# KiCad board hack_pad.kicad_pcb (continued)
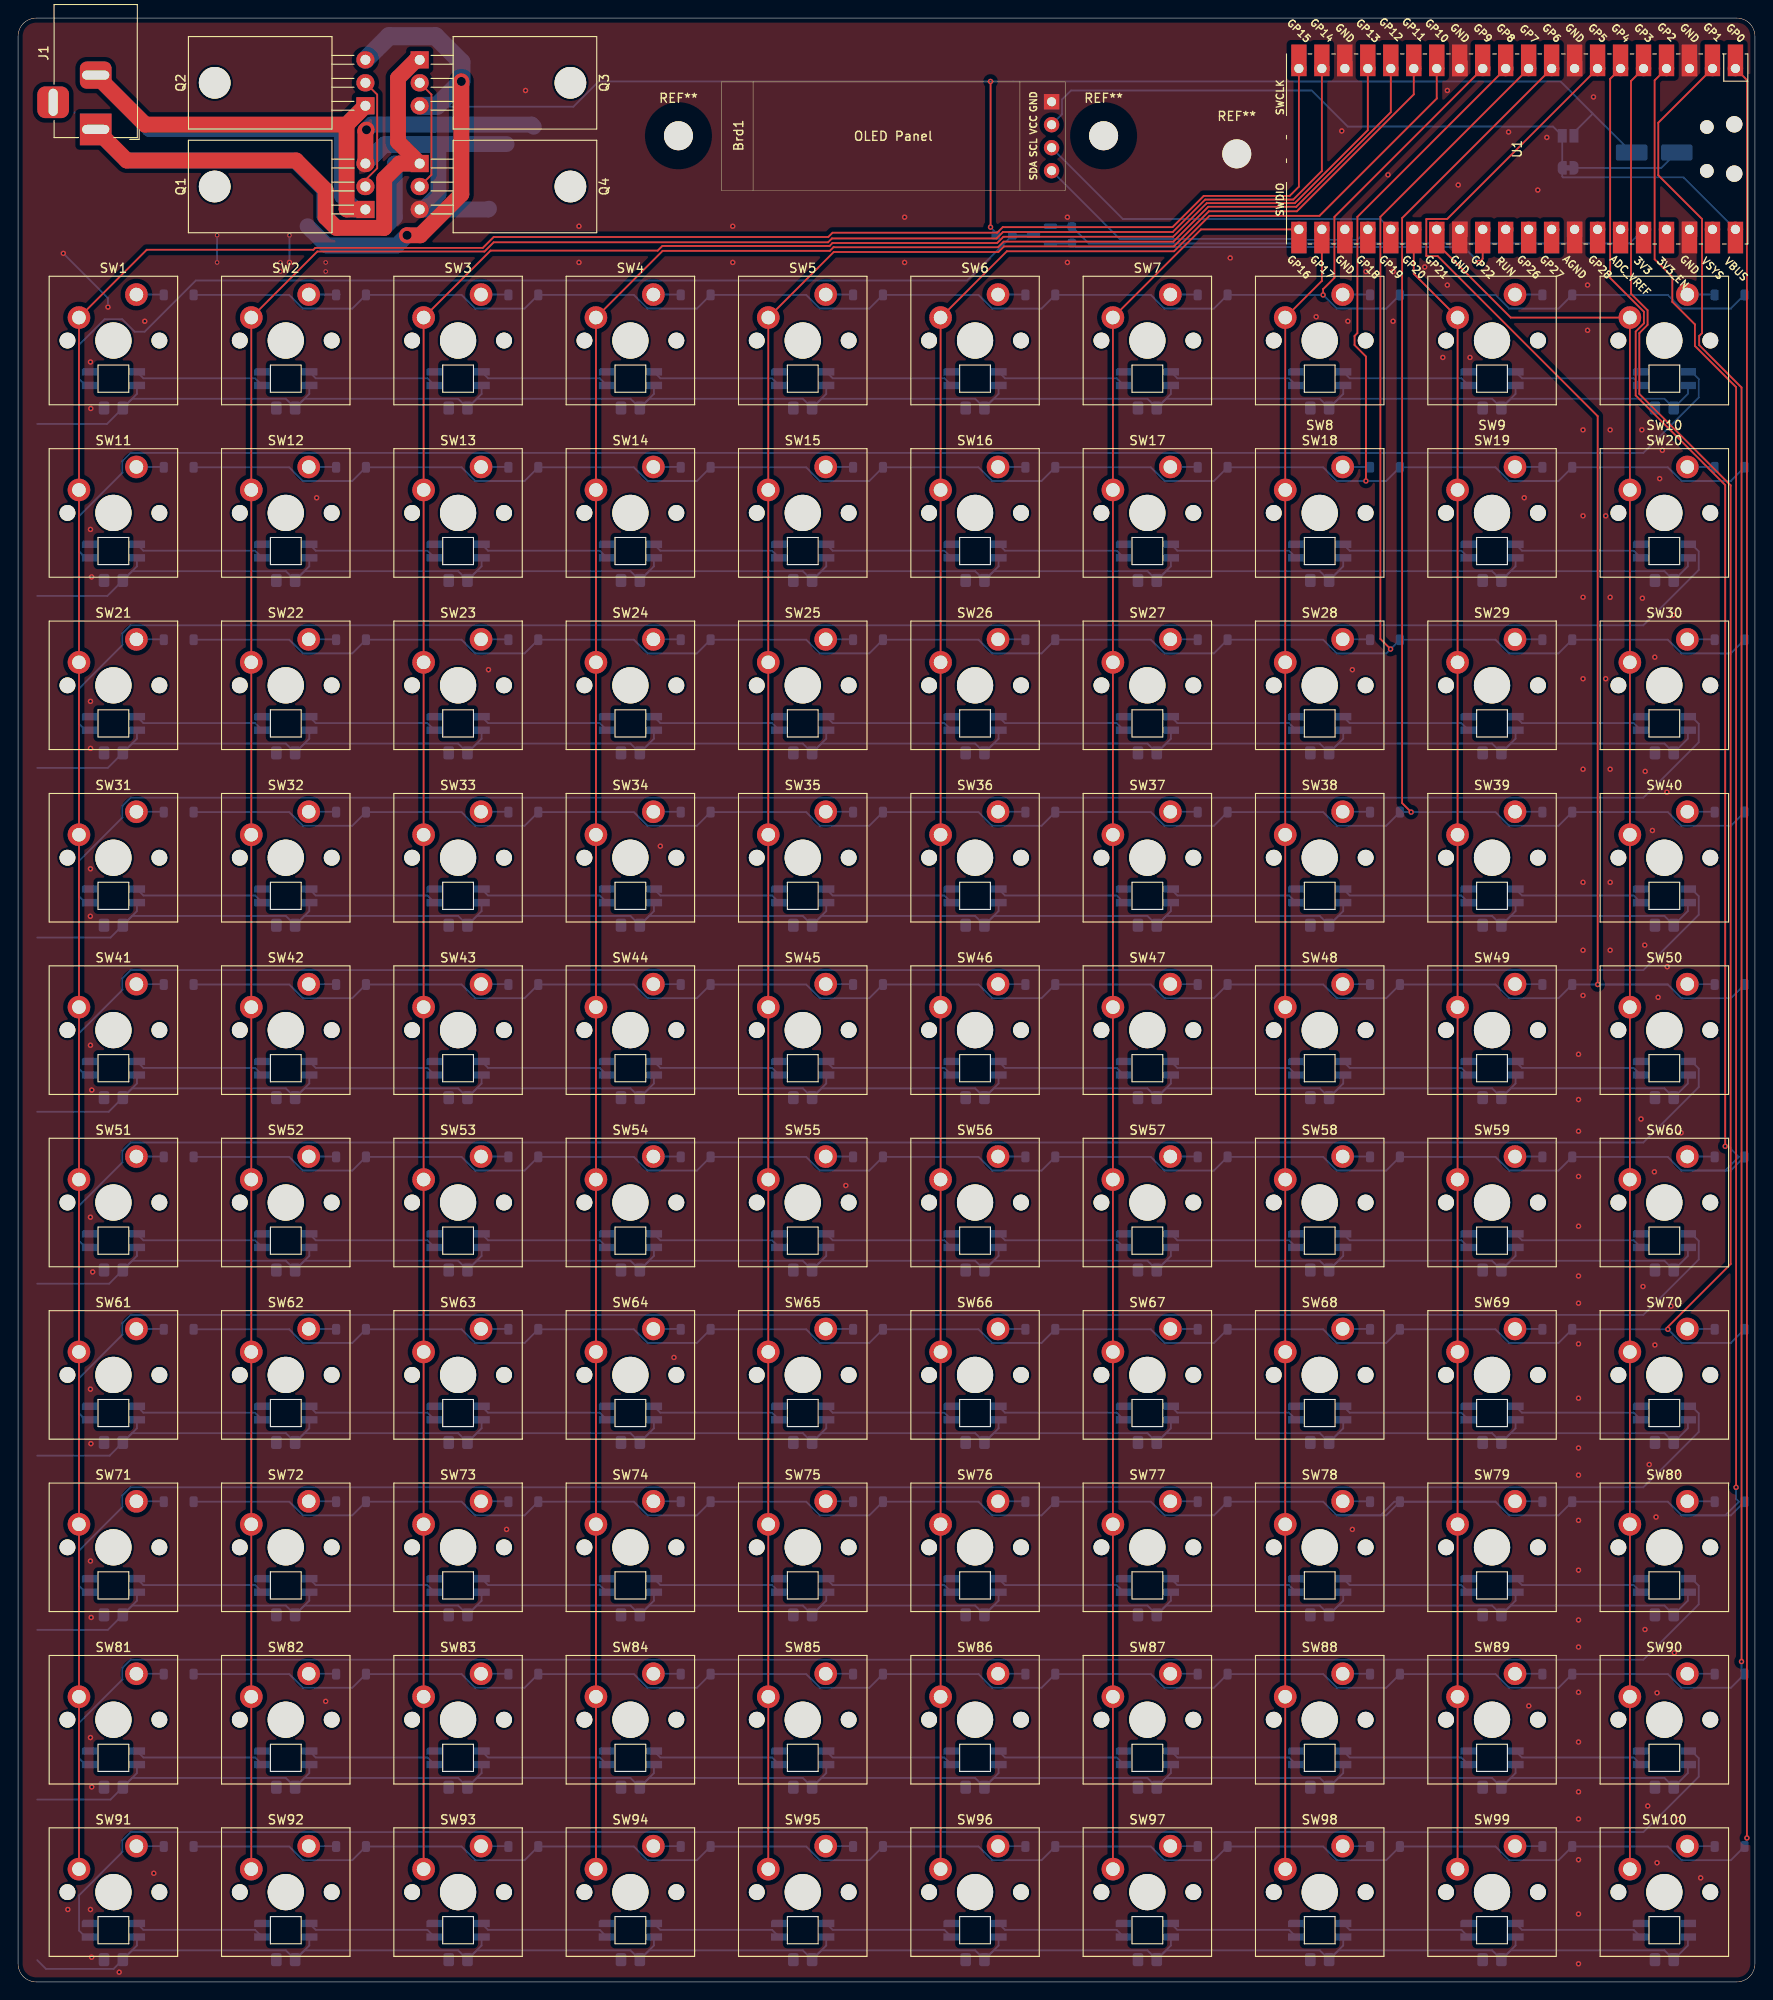
[diagram p0: board, top side]
## Placement (name value [footprint] x y rotation side) (continued)
R2  10K  [R_0603_1608Metric_Pad0.98x0.95mm_HandSolder]  109 193 0 bottom
REF**  -  [MountingHole_3.2mm_M3]  120 204 0 top
REF**#2  -  [MountingHole_3.2mm_M3]  134.72 202 0 top
REF**#3  -  [MountingHole_3.2mm_M3]  73 204 0 top
SW1  SW_Push  [SW_Cherry_MX_PCB_1.00u]  10.54 181.37 0 top
SW2  SW_Push  [SW_Cherry_MX_PCB_1.00u]  29.59 181.37 0 top
SW3  SW_Push  [SW_Cherry_MX_PCB_1.00u]  48.64 181.37 0 top
SW4  SW_Push  [SW_Cherry_MX_PCB_1.00u]  67.69 181.37 0 top
SW5  SW_Push  [SW_Cherry_MX_PCB_1.00u]  86.74 181.37 0 top
SW6  SW_Push  [SW_Cherry_MX_PCB_1.00u]  105.79 181.37 0 top
SW7  SW_Push  [SW_Cherry_MX_PCB_1.00u]  124.84 181.37 0 top
SW8  SW_Push  [SW_Cherry_MX_PCB_1.00u]  143.89 181.37 0 top
SW9  SW_Push  [SW_Cherry_MX_PCB_1.00u]  162.94 181.37 0 top
SW10  SW_Push  [SW_Cherry_MX_PCB_1.00u]  181.99 181.37 0 top
SW11  SW_Push  [SW_Cherry_MX_PCB_1.00u]  10.54 162.32 0 top
SW12  SW_Push  [SW_Cherry_MX_PCB_1.00u]  29.59 162.32 0 top
SW13  SW_Push  [SW_Cherry_MX_PCB_1.00u]  48.64 162.32 0 top
SW14  SW_Push  [SW_Cherry_MX_PCB_1.00u]  67.69 162.32 0 top
SW15  SW_Push  [SW_Cherry_MX_PCB_1.00u]  86.74 162.32 0 top
SW16  SW_Push  [SW_Cherry_MX_PCB_1.00u]  105.79 162.32 0 top
SW17  SW_Push  [SW_Cherry_MX_PCB_1.00u]  124.84 162.32 0 top
SW18  SW_Push  [SW_Cherry_MX_PCB_1.00u]  143.89 162.32 0 top
SW19  SW_Push  [SW_Cherry_MX_PCB_1.00u]  162.94 162.32 0 top
SW20  SW_Push  [SW_Cherry_MX_PCB_1.00u]  181.99 162.32 0 top
SW21  SW_Push  [SW_Cherry_MX_PCB_1.00u]  10.54 143.27 0 top
SW22  SW_Push  [SW_Cherry_MX_PCB_1.00u]  29.59 143.27 0 top
SW23  SW_Push  [SW_Cherry_MX_PCB_1.00u]  48.64 143.27 0 top
SW24  SW_Push  [SW_Cherry_MX_PCB_1.00u]  67.69 143.27 0 top
SW25  SW_Push  [SW_Cherry_MX_PCB_1.00u]  86.74 143.27 0 top
SW26  SW_Push  [SW_Cherry_MX_PCB_1.00u]  105.79 143.27 0 top
SW27  SW_Push  [SW_Cherry_MX_PCB_1.00u]  124.84 143.27 0 top
SW28  SW_Push  [SW_Cherry_MX_PCB_1.00u]  143.89 143.27 0 top
SW29  SW_Push  [SW_Cherry_MX_PCB_1.00u]  162.94 143.27 0 top
SW30  SW_Push  [SW_Cherry_MX_PCB_1.00u]  181.99 143.27 0 top
SW31  SW_Push  [SW_Cherry_MX_PCB_1.00u]  10.54 124.22 0 top
SW32  SW_Push  [SW_Cherry_MX_PCB_1.00u]  29.59 124.22 0 top
SW33  SW_Push  [SW_Cherry_MX_PCB_1.00u]  48.64 124.22 0 top
SW34  SW_Push  [SW_Cherry_MX_PCB_1.00u]  67.69 124.22 0 top
SW35  SW_Push  [SW_Cherry_MX_PCB_1.00u]  86.74 124.22 0 top
SW36  SW_Push  [SW_Cherry_MX_PCB_1.00u]  105.79 124.22 0 top
SW37  SW_Push  [SW_Cherry_MX_PCB_1.00u]  124.84 124.22 0 top
SW38  SW_Push  [SW_Cherry_MX_PCB_1.00u]  143.89 124.22 0 top
SW39  SW_Push  [SW_Cherry_MX_PCB_1.00u]  162.94 124.22 0 top
SW40  SW_Push  [SW_Cherry_MX_PCB_1.00u]  181.99 124.22 0 top
SW41  SW_Push  [SW_Cherry_MX_PCB_1.00u]  10.54 105.17 0 top
SW42  SW_Push  [SW_Cherry_MX_PCB_1.00u]  29.59 105.17 0 top
SW43  SW_Push  [SW_Cherry_MX_PCB_1.00u]  48.64 105.17 0 top
SW44  SW_Push  [SW_Cherry_MX_PCB_1.00u]  67.69 105.17 0 top
SW45  SW_Push  [SW_Cherry_MX_PCB_1.00u]  86.74 105.17 0 top
SW46  SW_Push  [SW_Cherry_MX_PCB_1.00u]  105.79 105.17 0 top
SW47  SW_Push  [SW_Cherry_MX_PCB_1.00u]  124.84 105.17 0 top
SW48  SW_Push  [SW_Cherry_MX_PCB_1.00u]  143.89 105.17 0 top
SW49  SW_Push  [SW_Cherry_MX_PCB_1.00u]  162.94 105.17 0 top
SW50  SW_Push  [SW_Cherry_MX_PCB_1.00u]  181.99 105.17 0 top
SW51  SW_Push  [SW_Cherry_MX_PCB_1.00u]  10.54 86.12 0 top
SW52  SW_Push  [SW_Cherry_MX_PCB_1.00u]  29.59 86.12 0 top
SW53  SW_Push  [SW_Cherry_MX_PCB_1.00u]  48.64 86.12 0 top
SW54  SW_Push  [SW_Cherry_MX_PCB_1.00u]  67.69 86.12 0 top
SW55  SW_Push  [SW_Cherry_MX_PCB_1.00u]  86.74 86.12 0 top
SW56  SW_Push  [SW_Cherry_MX_PCB_1.00u]  105.79 86.12 0 top
SW57  SW_Push  [SW_Cherry_MX_PCB_1.00u]  124.84 86.12 0 top
SW58  SW_Push  [SW_Cherry_MX_PCB_1.00u]  143.89 86.12 0 top
SW59  SW_Push  [SW_Cherry_MX_PCB_1.00u]  162.94 86.12 0 top
SW60  SW_Push  [SW_Cherry_MX_PCB_1.00u]  181.99 86.12 0 top
SW61  SW_Push  [SW_Cherry_MX_PCB_1.00u]  10.54 67.07 0 top
SW62  SW_Push  [SW_Cherry_MX_PCB_1.00u]  29.59 67.07 0 top
SW63  SW_Push  [SW_Cherry_MX_PCB_1.00u]  48.64 67.07 0 top
SW64  SW_Push  [SW_Cherry_MX_PCB_1.00u]  67.69 67.07 0 top
SW65  SW_Push  [SW_Cherry_MX_PCB_1.00u]  86.74 67.07 0 top
SW66  SW_Push  [SW_Cherry_MX_PCB_1.00u]  105.79 67.07 0 top
SW67  SW_Push  [SW_Cherry_MX_PCB_1.00u]  124.84 67.07 0 top
SW68  SW_Push  [SW_Cherry_MX_PCB_1.00u]  143.89 67.07 0 top
SW69  SW_Push  [SW_Cherry_MX_PCB_1.00u]  162.94 67.07 0 top
SW70  SW_Push  [SW_Cherry_MX_PCB_1.00u]  181.99 67.07 0 top
SW71  SW_Push  [SW_Cherry_MX_PCB_1.00u]  10.54 48.02 0 top
SW72  SW_Push  [SW_Cherry_MX_PCB_1.00u]  29.59 48.02 0 top
SW73  SW_Push  [SW_Cherry_MX_PCB_1.00u]  48.64 48.02 0 top
SW74  SW_Push  [SW_Cherry_MX_PCB_1.00u]  67.69 48.02 0 top
SW75  SW_Push  [SW_Cherry_MX_PCB_1.00u]  86.74 48.02 0 top
SW76  SW_Push  [SW_Cherry_MX_PCB_1.00u]  105.79 48.02 0 top
SW77  SW_Push  [SW_Cherry_MX_PCB_1.00u]  124.84 48.02 0 top
SW78  SW_Push  [SW_Cherry_MX_PCB_1.00u]  143.89 48.02 0 top
SW79  SW_Push  [SW_Cherry_MX_PCB_1.00u]  162.94 48.02 0 top
SW80  SW_Push  [SW_Cherry_MX_PCB_1.00u]  181.99 48.02 0 top
SW81  SW_Push  [SW_Cherry_MX_PCB_1.00u]  10.54 28.97 0 top
SW82  SW_Push  [SW_Cherry_MX_PCB_1.00u]  29.59 28.97 0 top
SW83  SW_Push  [SW_Cherry_MX_PCB_1.00u]  48.64 28.97 0 top
SW84  SW_Push  [SW_Cherry_MX_PCB_1.00u]  67.69 28.97 0 top
SW85  SW_Push  [SW_Cherry_MX_PCB_1.00u]  86.74 28.97 0 top
SW86  SW_Push  [SW_Cherry_MX_PCB_1.00u]  105.79 28.97 0 top
SW87  SW_Push  [SW_Cherry_MX_PCB_1.00u]  124.84 28.97 0 top
SW88  SW_Push  [SW_Cherry_MX_PCB_1.00u]  143.89 28.97 0 top
SW89  SW_Push  [SW_Cherry_MX_PCB_1.00u]  162.94 28.97 0 top
SW90  SW_Push  [SW_Cherry_MX_PCB_1.00u]  181.99 28.97 0 top
SW91  SW_Push  [SW_Cherry_MX_PCB_1.00u]  10.54 9.92 0 top
SW92  SW_Push  [SW_Cherry_MX_PCB_1.00u]  29.59 9.92 0 top
SW93  SW_Push  [SW_Cherry_MX_PCB_1.00u]  48.64 9.92 0 top
SW94  SW_Push  [SW_Cherry_MX_PCB_1.00u]  67.69 9.92 0 top
SW95  SW_Push  [SW_Cherry_MX_PCB_1.00u]  86.74 9.92 0 top
SW96  SW_Push  [SW_Cherry_MX_PCB_1.00u]  105.79 9.92 0 top
SW97  SW_Push  [SW_Cherry_MX_PCB_1.00u]  124.84 9.92 0 top
SW98  SW_Push  [SW_Cherry_MX_PCB_1.00u]  143.89 9.92 0 top
SW99  SW_Push  [SW_Cherry_MX_PCB_1.00u]  162.94 9.92 0 top
SW100  SW_Push  [SW_Cherry_MX_PCB_1.00u]  181.99 9.92 0 top
U1  Pico  [RPi_Pico_SMD_TH]  165.72 202.54 270 top

## Library data of the parts
Brd1 = -: Description: SSD1306 OLED; ki_fp_filters: SSD1306-128x64_OLED:SSD1306
C1-C100 = -: Description: Unpolarized capacitor; ki_fp_filters: C_*
D1-D100 D205 = -: Description: Diode; Sim.Pins: 1=K 2=A; ki_fp_filters: TO-???* *_Diode_* *SingleDiode* D_*
D101-D200 = -: Datasheet: https://cdn-shop.adafruit.com/product-files/2686/SK6812MINI_REV.01-1-2.pdf; Description: RGB LED with integrated controller; ki_fp_filters: LED*SK6812MINI*PLCC*3.5x3.5mm*P1.75mm*
J1 = -: Description: DC Barrel Jack with an internal switch; ki_fp_filters: BarrelJack*
JP1 = -: Description: Solder Jumper, 2-pole, closed/bridged; ki_fp_filters: SolderJumper*Bridged*
JP2 = -: Description: Solder Jumper, 2-pole, open; ki_fp_filters: SolderJumper*Open*
Q1 Q4 = -: Datasheet: http://www.irf.com/product-info/datasheets/data/irlz44n.pdf; Description: 47A Id, 55V Vds, 22mOhm Rds Single N-Channel HEXFET Power MOSFET, TO-220AB; ki_fp_filters: TO?220*
Q2 Q3 = -: Datasheet: http://www.irf.com/product-info/datasheets/data/irf9540n.pdf; Description: -23A Id, -100V Vds, 117mOhm Rds, P-Channel HEXFET Power MOSFET, TO-220; ki_fp_filters: TO?220*
Q5 = -: Datasheet: https://www.onsemi.com/pub/Collateral/BSS138-D.PDF; Description: 50V Vds, 0.22A Id, N-Channel MOSFET, SOT-23; ki_fp_filters: SOT?23*
R1 R2 = -: Description: Resistor, US symbol; ki_fp_filters: R_*
SW1-SW100 = -: Description: Push button switch, generic, two pins

## Footprints (pads in the part's own frame, mm; a bottom-side part is the same pattern mirrored in y, then rotated)
BarrelJack_Horizontal
  rect 3.5x3.5 hole 1x3: 1(0,0)
  rrect 3x3.5 hole 1x3: 2(-6,0)
  rrect 3.5x3.5 hole 3x1: 3(-3,-4.7)
C_0805_2012Metric_Pad1.18x1.45mm_HandSolder
  rrect 1.175x1.45 smd: 1(-1.038,0) 2(1.038,0)
D_SMA_Handsoldering
  rrect 3.5x1.8 smd: 1(-2.5,0) 2(2.5,0)
D_SOD-123
  rrect 0.9x1.2 smd: 1(-1.65,0) 2(1.65,0)
MountingHole_3.2mm_M3
  round 3.2 hole 3.2 unplated: (0,0)
R_0603_1608Metric_Pad0.98x0.95mm_HandSolder
  rrect 0.975x0.95 smd: 1(-0.912,0) 2(0.912,0)
RPi_Pico_SMD_TH
  oval 1.8x1.8 hole 1.8 unplated: (-2.725,24) (2.725,24)
  oval 1.5x1.5 hole 1.5 unplated: (-2.425,20.97) (2.425,20.97)
  oval 1.7x1.7 hole 1.02: 1(-8.89,24.13) 2(-8.89,21.59) 4(-8.89,16.51) 5(-8.89,13.97) 6(-8.89,11.43) 7(-8.89,8.89) 9(-8.89,3.81) 10(-8.89,1.27) 11(-8.89,-1.27) 12(-8.89,-3.81) 14(-8.89,-8.89) 15(-8.89,-11.43) 16(-8.89,-13.97) 17(-8.89,-16.51) 19(-8.89,-21.59) 20(-8.89,-24.13) 21(8.89,-24.13) 22(8.89,-21.59) 24(8.89,-16.51) 25(8.89,-13.97) 26(8.89,-11.43) 27(8.89,-8.89) 29(8.89,-3.81) 30(8.89,-1.27) 31(8.89,1.27) 32(8.89,3.81) 34(8.89,8.89) 35(8.89,11.43) 36(8.89,13.97) 37(8.89,16.51) 39(8.89,21.59) 40(8.89,24.13)
  rect 3.5x1.7 smd: 1(-8.89,24.13) 2(-8.89,21.59) 3(-8.89,19.05) 4(-8.89,16.51) 5(-8.89,13.97) 6(-8.89,11.43) 7(-8.89,8.89) 8(-8.89,6.35) 9(-8.89,3.81) 10(-8.89,1.27) 11(-8.89,-1.27) 12(-8.89,-3.81) 13(-8.89,-6.35) 14(-8.89,-8.89) 15(-8.89,-11.43) 16(-8.89,-13.97) 17(-8.89,-16.51) 18(-8.89,-19.05) 19(-8.89,-21.59) 20(-8.89,-24.13) 21(8.89,-24.13) 22(8.89,-21.59) 23(8.89,-19.05) 24(8.89,-16.51) 25(8.89,-13.97) 26(8.89,-11.43) 27(8.89,-8.89) 28(8.89,-6.35) 29(8.89,-3.81) 30(8.89,-1.27) 31(8.89,1.27) 32(8.89,3.81) 33(8.89,6.35) 34(8.89,8.89) 35(8.89,11.43) 36(8.89,13.97) 37(8.89,16.51) 38(8.89,19.05) 39(8.89,21.59) 40(8.89,24.13)
  rect 1.7x1.7 hole 1.02: 3(-8.89,19.05) 8(-8.89,6.35) 13(-8.89,-6.35) 18(-8.89,-19.05) 23(8.89,-19.05) 28(8.89,-6.35) 33(8.89,6.35) 38(8.89,19.05)
SK6812MINI-E
  rect 1.8x0.82 smd: 1(-2.6,0.75) 3(2.6,-0.75) 4(-2.6,-0.75)
  rrect 1.8x0.82 smd: 2(2.6,0.75)
SolderJumper-2_P1.3mm_Bridged_RoundedPad1.0x1.5mm
  custom 1x1.5 smd: 1(-0.65,0) 2(0.65,0)
SolderJumper-2_P1.3mm_Open_Pad1.0x1.5mm
  rect 1x1.5 smd: 1(-0.65,0) 2(0.65,0)
SOT-23
  rrect 1.475x0.6 smd: 1(-0.938,0.95) 2(-0.938,-0.95) 3(0.938,0)
SSD1306-0.91-OLED-4pin-128x32
  rect 1.7x1.7 hole 1: 1(36.5,-2.19)
  oval 1.7x1.7 hole 1: 2(36.5,-4.73) 3(36.5,-7.27) 4(36.5,-9.81)
SW_Cherry_MX_PCB_1.00u
  round 1.75 hole 1.75 unplated: (-5.08,0) (5.08,0)
  round 4 hole 4 unplated: (0,0)
  round 2.5 hole 1.5: 1(-3.81,2.54) 2(2.54,5.08)
TO-220-3_Horizontal_TabDown
  round 3.5 hole 3.5 unplated: (2.54,16.66)
  rect 1.905x2 hole 1.1: 1(0,0)
  oval 1.905x2 hole 1.1: 2(2.54,0) 3(5.08,0)

## Nets
VBUS: C1.1 C2.1 C3.1 C4.1 C5.1 C6.1 C7.1 C8.1 C9.1 C10.1 C11.1 C12.1 C13.1 C14.1 C15.1 C16.1 C17.1 C18.1 C19.1 C20.1 C21.1 C22.1 C23.1 C24.1 C25.1 C26.1 C27.1 C28.1 C29.1 C30.1 C31.1 C32.1 C33.1 C34.1 C35.1 C36.1 C37.1 C38.1 C39.1 C40.1 C41.1 C42.1 C43.1 C44.1 C45.1 C46.1 C47.1 C48.1 C49.1 C50.1 C51.1 C52.1 C53.1 C54.1 C55.1 C56.1 C57.1 C58.1 C59.1 C60.1 C61.1 C62.1 C63.1 C64.1 C65.1 C66.1 C67.1 C68.1 C69.1 C70.1 C71.1 C72.1 C73.1 C74.1 C75.1 C76.1 C77.1 C78.1 C79.1 C80.1 C81.1 C82.1 C83.1 C84.1 C85.1 C86.1 C87.1 C88.1 C89.1 C90.1 C91.1 C92.1 C93.1 C94.1 C95.1 C96.1 C97.1 C98.1 C99.1 C100.1 D101.4 D102.4 D103.4 D104.4 D105.4 D106.4 D107.4 D108.4 D109.4 D110.4 D111.4 D112.4 D113.4 D114.4 D115.4 D116.4 D117.4 D118.4 D119.4 D120.4 D121.4 D122.4 D123.4 D124.4 D125.4 D126.4 D127.4 D128.4 D129.4 D130.4 D131.4 D132.4 D133.4 D134.4 D135.4 D136.4 D137.4 D138.4 D139.4 D140.4 D141.4 D142.4 D143.4 D144.4 D145.4 D146.4 D147.4 D148.4 D149.4 D150.4 D151.4 D152.4 D153.4 D154.4 D155.4 D156.4 D157.4 D158.4 D159.4 D160.4 D161.4 D162.4 D163.4 D164.4 D165.4 D166.4 D167.4 D168.4 D169.4 D170.4 D171.4 D172.4 D173.4 D174.4 D175.4 D176.4 D177.4 D178.4 D179.4 D180.4 D181.4 D182.4 D183.4 D184.4 D185.4 D186.4 D187.4 D188.4 D189.4 D190.4 D191.4 D192.4 D193.4 D194.4 D195.4 D196.4 D197.4 D198.4 D199.4 D200.4 D205.2 JP2.2 Q2.3 Q3.3 R2.1
BARREL_A: J1.2 Q1.1 Q2.1
BARREL_B: J1.1 Q3.1 Q4.1
COL_1: SW1.1 SW11.1 SW21.1 SW31.1 SW41.1 SW51.1 SW61.1 SW71.1 SW81.1 SW91.1 U1.20
COL_2: SW2.1 SW12.1 SW22.1 SW32.1 SW42.1 SW52.1 SW62.1 SW72.1 SW82.1 SW92.1 U1.19
COL_3: SW3.1 SW13.1 SW23.1 SW33.1 SW43.1 SW53.1 SW63.1 SW73.1 SW83.1 SW93.1 U1.17
COL_4: SW4.1 SW14.1 SW24.1 SW34.1 SW44.1 SW54.1 SW64.1 SW74.1 SW84.1 SW94.1 U1.16
COL_5: SW5.1 SW15.1 SW25.1 SW35.1 SW45.1 SW55.1 SW65.1 SW75.1 SW85.1 SW95.1 U1.15
COL_6: SW6.1 SW16.1 SW26.1 SW36.1 SW46.1 SW56.1 SW66.1 SW76.1 SW86.1 SW96.1 U1.14
COL_7: SW7.1 SW17.1 SW27.1 SW37.1 SW47.1 SW57.1 SW67.1 SW77.1 SW87.1 SW97.1 U1.21
COL_8: SW8.1 SW18.1 SW28.1 SW38.1 SW48.1 SW58.1 SW68.1 SW78.1 SW88.1 SW98.1 U1.22
COL_9: SW9.1 SW19.1 SW29.1 SW39.1 SW49.1 SW59.1 SW69.1 SW79.1 SW89.1 SW99.1 U1.26
COL_10: SW10.1 SW20.1 SW30.1 SW40.1 SW50.1 SW60.1 SW70.1 SW80.1 SW90.1 SW100.1 U1.27
Earth: Brd1.1 C1.2 C2.2 C3.2 C4.2 C5.2 C6.2 C7.2 C8.2 C9.2 C10.2 C11.2 C12.2 C13.2 C14.2 C15.2 C16.2 C17.2 C18.2 C19.2 C20.2 C21.2 C22.2 C23.2 C24.2 C25.2 C26.2 C27.2 C28.2 C29.2 C30.2 C31.2 C32.2 C33.2 C34.2 C35.2 C36.2 C37.2 C38.2 C39.2 C40.2 C41.2 C42.2 C43.2 C44.2 C45.2 C46.2 C47.2 C48.2 C49.2 C50.2 C51.2 C52.2 C53.2 C54.2 C55.2 C56.2 C57.2 C58.2 C59.2 C60.2 C61.2 C62.2 C63.2 C64.2 C65.2 C66.2 C67.2 C68.2 C69.2 C70.2 C71.2 C72.2 C73.2 C74.2 C75.2 C76.2 C77.2 C78.2 C79.2 C80.2 C81.2 C82.2 C83.2 C84.2 C85.2 C86.2 C87.2 C88.2 C89.2 C90.2 C91.2 C92.2 C93.2 C94.2 C95.2 C96.2 C97.2 C98.2 C99.2 C100.2 D101.2 D102.2 D103.2 D104.2 D105.2 D106.2 D107.2 D108.2 D109.2 D110.2 D111.2 D112.2 D113.2 D114.2 D115.2 D116.2 D117.2 D118.2 D119.2 D120.2 D121.2 D122.2 D123.2 D124.2 D125.2 D126.2 D127.2 D128.2 D129.2 D130.2 D131.2 D132.2 D133.2 D134.2 D135.2 D136.2 D137.2 D138.2 D139.2 D140.2 D141.2 D142.2 D143.2 D144.2 D145.2 D146.2 D147.2 D148.2 D149.2 D150.2 D151.2 D152.2 D153.2 D154.2 D155.2 D156.2 D157.2 D158.2 D159.2 D160.2 D161.2 D162.2 D163.2 D164.2 D165.2 D166.2 D167.2 D168.2 D169.2 D170.2 D171.2 D172.2 D173.2 D174.2 D175.2 D176.2 D177.2 D178.2 D179.2 D180.2 D181.2 D182.2 D183.2 D184.2 D185.2 D186.2 D187.2 D188.2 D189.2 D190.2 D191.2 D192.2 D193.2 D194.2 D195.2 D196.2 D197.2 D198.2 D199.2 D200.2 Q1.3 Q4.3 U1.3 U1.8 U1.13 U1.18 U1.23 U1.28 U1.33 U1.38
LED_HV: D101.3 Q5.3 R2.2
LED_LV: Q5.2 R1.2 U1.29
LV: Q5.1 R1.1 U1.36
ROW_1: D1.1 D2.1 D3.1 D4.1 D5.1 D6.1 D7.1 D8.1 D9.1 D10.1 U1.12
ROW_2: D11.1 D12.1 D13.1 D14.1 D15.1 D16.1 D17.1 D18.1 D19.1 D20.1 U1.11
ROW_3: D21.1 D22.1 D23.1 D24.1 D25.1 D26.1 D27.1 D28.1 D29.1 D30.1 U1.10
ROW_4: D31.1 D32.1 D33.1 D34.1 D35.1 D36.1 D37.1 D38.1 D39.1 D40.1 U1.9
ROW_5: D41.1 D42.1 D43.1 D44.1 D45.1 D46.1 D47.1 D48.1 D49.1 D50.1 U1.7
ROW_6: D51.1 D52.1 D53.1 D54.1 D55.1 D56.1 D57.1 D58.1 D59.1 D60.1 U1.6
ROW_7: D61.1 D62.1 D63.1 D64.1 D65.1 D66.1 D67.1 D68.1 D69.1 D70.1 U1.5
ROW_8: D71.1 D72.1 D73.1 D74.1 D75.1 D76.1 D77.1 D78.1 D79.1 D80.1 U1.4
ROW_9: D81.1 D82.1 D83.1 D84.1 D85.1 D86.1 D87.1 D88.1 D89.1 D90.1 U1.2
ROW_10: D91.1 D92.1 D93.1 D94.1 D95.1 D96.1 D97.1 D98.1 D99.1 D100.1 U1.1
SCL1: Brd1.3 U1.25
SDA1: Brd1.4 U1.24
Net-(Brd1-VCC): Brd1.2 JP1.1 JP2.1 U1.40
Net-(D1-A): D1.2 SW1.2
Net-(D2-A): D2.2 SW2.2
Net-(D3-A): D3.2 SW3.2
Net-(D4-A): D4.2 SW4.2
Net-(D5-A): D5.2 SW5.2
Net-(D6-A): D6.2 SW6.2
Net-(D7-A): D7.2 SW7.2
Net-(D8-A): D8.2 SW8.2
Net-(D9-A): D9.2 SW9.2
Net-(D10-A): D10.2 SW10.2
Net-(D11-A): D11.2 SW11.2
Net-(D12-A): D12.2 SW12.2
Net-(D13-A): D13.2 SW13.2
Net-(D14-A): D14.2 SW14.2
Net-(D15-A): D15.2 SW15.2
Net-(D16-A): D16.2 SW16.2
Net-(D17-A): D17.2 SW17.2
Net-(D18-A): D18.2 SW18.2
Net-(D19-A): D19.2 SW19.2
Net-(D20-A): D20.2 SW20.2
Net-(D21-A): D21.2 SW21.2
Net-(D22-A): D22.2 SW22.2
Net-(D23-A): D23.2 SW23.2
Net-(D24-A): D24.2 SW24.2
Net-(D25-A): D25.2 SW25.2
Net-(D26-A): D26.2 SW26.2
Net-(D27-A): D27.2 SW27.2
Net-(D28-A): D28.2 SW28.2
Net-(D29-A): D29.2 SW29.2
Net-(D30-A): D30.2 SW30.2
Net-(D31-A): D31.2 SW31.2
Net-(D32-A): D32.2 SW32.2
Net-(D33-A): D33.2 SW33.2
Net-(D34-A): D34.2 SW34.2
Net-(D35-A): D35.2 SW35.2
Net-(D36-A): D36.2 SW36.2
Net-(D37-A): D37.2 SW37.2
Net-(D38-A): D38.2 SW38.2
Net-(D39-A): D39.2 SW39.2
Net-(D40-A): D40.2 SW40.2
Net-(D41-A): D41.2 SW41.2
Net-(D42-A): D42.2 SW42.2
Net-(D43-A): D43.2 SW43.2
Net-(D44-A): D44.2 SW44.2
Net-(D45-A): D45.2 SW45.2
Net-(D46-A): D46.2 SW46.2
Net-(D47-A): D47.2 SW47.2
Net-(D48-A): D48.2 SW48.2
Net-(D49-A): D49.2 SW49.2
Net-(D50-A): D50.2 SW50.2
Net-(D51-A): D51.2 SW51.2
Net-(D52-A): D52.2 SW52.2
Net-(D53-A): D53.2 SW53.2
Net-(D54-A): D54.2 SW54.2
Net-(D55-A): D55.2 SW55.2
Net-(D56-A): D56.2 SW56.2
Net-(D57-A): D57.2 SW57.2
Net-(D58-A): D58.2 SW58.2
Net-(D59-A): D59.2 SW59.2
Net-(D60-A): D60.2 SW60.2
Net-(D61-A): D61.2 SW61.2
Net-(D62-A): D62.2 SW62.2
Net-(D63-A): D63.2 SW63.2
Net-(D64-A): D64.2 SW64.2
Net-(D65-A): D65.2 SW65.2
Net-(D66-A): D66.2 SW66.2
Net-(D67-A): D67.2 SW67.2
Net-(D68-A): D68.2 SW68.2
Net-(D69-A): D69.2 SW69.2
Net-(D70-A): D70.2 SW70.2
Net-(D71-A): D71.2 SW71.2
Net-(D72-A): D72.2 SW72.2
Net-(D73-A): D73.2 SW73.2
Net-(D74-A): D74.2 SW74.2
Net-(D75-A): D75.2 SW75.2
Net-(D76-A): D76.2 SW76.2
Net-(D77-A): D77.2 SW77.2
Net-(D78-A): D78.2 SW78.2
Net-(D79-A): D79.2 SW79.2
Net-(D80-A): D80.2 SW80.2
Net-(D81-A): D81.2 SW81.2
Net-(D82-A): D82.2 SW82.2
Net-(D83-A): D83.2 SW83.2
Net-(D84-A): D84.2 SW84.2
Net-(D85-A): D85.2 SW85.2
Net-(D86-A): D86.2 SW86.2
Net-(D87-A): D87.2 SW87.2
Net-(D88-A): D88.2 SW88.2
Net-(D89-A): D89.2 SW89.2
Net-(D90-A): D90.2 SW90.2
Net-(D91-A): D91.2 SW91.2
Net-(D92-A): D92.2 SW92.2
Net-(D93-A): D93.2 SW93.2
Net-(D94-A): D94.2 SW94.2
Net-(D95-A): D95.2 SW95.2
Net-(D96-A): D96.2 SW96.2
Net-(D97-A): D97.2 SW97.2
Net-(D98-A): D98.2 SW98.2
Net-(D99-A): D99.2 SW99.2
Net-(D100-A): D100.2 SW100.2
Net-(D101-DOUT): D101.1 D102.3
Net-(D102-DOUT): D102.1 D103.3
Net-(D103-DOUT): D103.1 D104.3
Net-(D104-DOUT): D104.1 D105.3
Net-(D105-DOUT): D105.1 D106.3
Net-(D106-DOUT): D106.1 D107.3
Net-(D107-DOUT): D107.1 D108.3
Net-(D108-DOUT): D108.1 D109.3
Net-(D109-DOUT): D109.1 D110.3
Net-(D110-DOUT): D110.1 D111.3
Net-(D111-DOUT): D111.1 D112.3
Net-(D112-DOUT): D112.1 D113.3
Net-(D113-DOUT): D113.1 D114.3
Net-(D114-DOUT): D114.1 D115.3
Net-(D115-DOUT): D115.1 D116.3
Net-(D116-DOUT): D116.1 D117.3
Net-(D117-DOUT): D117.1 D118.3
Net-(D118-DOUT): D118.1 D119.3
Net-(D119-DOUT): D119.1 D120.3
Net-(D120-DOUT): D120.1 D121.3
Net-(D121-DOUT): D121.1 D122.3
Net-(D122-DOUT): D122.1 D123.3
Net-(D123-DOUT): D123.1 D124.3
Net-(D124-DOUT): D124.1 D125.3
Net-(D125-DOUT): D125.1 D126.3
Net-(D126-DOUT): D126.1 D127.3
Net-(D127-DOUT): D127.1 D128.3
Net-(D128-DOUT): D128.1 D129.3
Net-(D129-DOUT): D129.1 D130.3
Net-(D130-DOUT): D130.1 D131.3
Net-(D131-DOUT): D131.1 D132.3
Net-(D132-DOUT): D132.1 D133.3
Net-(D133-DOUT): D133.1 D134.3
Net-(D134-DOUT): D134.1 D135.3
Net-(D135-DOUT): D135.1 D136.3
Net-(D136-DOUT): D136.1 D137.3
Net-(D137-DOUT): D137.1 D138.3
Net-(D138-DOUT): D138.1 D139.3
Net-(D139-DOUT): D139.1 D140.3
Net-(D140-DOUT): D140.1 D141.3
Net-(D141-DOUT): D141.1 D142.3
Net-(D142-DOUT): D142.1 D143.3
Net-(D143-DOUT): D143.1 D144.3
Net-(D144-DOUT): D144.1 D145.3
Net-(D145-DOUT): D145.1 D146.3
Net-(D146-DOUT): D146.1 D147.3
Net-(D147-DOUT): D147.1 D148.3
Net-(D148-DOUT): D148.1 D149.3
Net-(D149-DOUT): D149.1 D150.3
Net-(D150-DOUT): D150.1 D151.3
Net-(D151-DOUT): D151.1 D152.3
Net-(D152-DOUT): D152.1 D153.3
Net-(D153-DOUT): D153.1 D154.3
Net-(D154-DOUT): D154.1 D155.3
Net-(D155-DOUT): D155.1 D156.3
Net-(D156-DOUT): D156.1 D157.3
Net-(D157-DOUT): D157.1 D158.3
Net-(D158-DOUT): D158.1 D159.3
Net-(D159-DOUT): D159.1 D160.3
Net-(D160-DOUT): D160.1 D161.3
Net-(D161-DOUT): D161.1 D162.3
Net-(D162-DOUT): D162.1 D163.3
Net-(D163-DOUT): D163.1 D164.3
Net-(D164-DOUT): D164.1 D165.3
Net-(D165-DOUT): D165.1 D166.3
Net-(D166-DOUT): D166.1 D167.3
Net-(D167-DOUT): D167.1 D168.3
Net-(D168-DOUT): D168.1 D169.3
Net-(D169-DOUT): D169.1 D170.3
Net-(D170-DOUT): D170.1 D171.3
Net-(D171-DOUT): D171.1 D172.3
Net-(D172-DOUT): D172.1 D173.3
Net-(D173-DOUT): D173.1 D174.3
Net-(D174-DOUT): D174.1 D175.3
Net-(D175-DOUT): D175.1 D176.3
Net-(D176-DOUT): D176.1 D177.3
Net-(D177-DOUT): D177.1 D178.3
Net-(D178-DOUT): D178.1 D179.3
Net-(D179-DOUT): D179.1 D180.3
Net-(D180-DOUT): D180.1 D181.3
Net-(D181-DOUT): D181.1 D182.3
Net-(D182-DOUT): D182.1 D183.3
Net-(D183-DOUT): D183.1 D184.3
Net-(D184-DOUT): D184.1 D185.3
Net-(D185-DOUT): D185.1 D186.3
Net-(D186-DOUT): D186.1 D187.3
Net-(D187-DOUT): D187.1 D188.3
Net-(D188-DOUT): D188.1 D189.3
Net-(D189-DOUT): D189.1 D190.3
Net-(D190-DOUT): D190.1 D191.3
Net-(D191-DOUT): D191.1 D192.3
Net-(D192-DOUT): D192.1 D193.3
Net-(D193-DOUT): D193.1 D194.3
Net-(D194-DOUT): D194.1 D195.3
Net-(D195-DOUT): D195.1 D196.3
Net-(D196-DOUT): D196.1 D197.3
Net-(D197-DOUT): D197.1 D198.3
Net-(D198-DOUT): D198.1 D199.3
Net-(D199-DOUT): D199.1 D200.3
Net-(D205-K): D205.1 JP1.2
Net-(Q1-D): Q1.2 Q2.2
Net-(Q3-D): Q3.2 Q4.2

Pads without a net: D200 1; J1 3; U1 30 31 32 34 35 37 39

## Via types
v1: diameter 0.6, hole 0.3, Top to Bottom, 145 vias
v2: diameter 0.5, hole 0.3, Top to Bottom, 7 vias
v3: diameter 1.75, hole 1, Top to Bottom, 3 vias

## Routing (per net, layer and track width the routed paths; a pad name or vN(x,y) marks a point on that pad's centre or on a via; arc(x,y) is an arc through that point)
VBUS: length 2419.9
  Top w0.2: v1(107.5,193.9) v1(107.5,210)
  Top w1.75: v3(43,193) 44.46,193 49,197.54 v3(49,210)
  Bottom w0.2: D191.4 13.14,4.02 C91.1 ; C86.1 107.85,22.54 124.85,22.54 C87.1 ; C86.1 105.8,22.54 88.8,22.54 C85.1 ; C86.1 108.39,23.07 D186.4 ; C31.1 12.6,117.79 29.6,117.79 C32.1 ; C31.1 13.14,118.32 D131.4 ; C31.1 10.22,115.4 2.12,115.4 ; C51.1 12.6,79.69 29.6,79.69 C52.1 ; C51.1 10.07,77.15 2.12,77.15 ; C51.1 13.14,80.22 D151.4 ; D120.4 184.59,156.42 C20.1 182,155.89 165,155.89 C19.1 ; C58.1 146.49,80.22 D158.4 ; C58.1 145.95,79.69 162.95,79.69 C59.1 ; C58.1 143.9,79.69 126.9,79.69 C57.1 ; 2.12,153.15 9.87,153.15 C11.1 ; C83.1 50.7,22.54 67.7,22.54 C84.1 ; C83.1 48.65,22.54 31.65,22.54 C82.1 ; C83.1 51.24,23.07 D183.4 ; D148.4 146.49,99.27 C48.1 ; C37.1 127.44,118.32 D137.4 ; C37.1 124.85,117.79 107.85,117.79 C36.1 ; C37.1 126.9,117.79 143.9,117.79 C38.1 ; v1(107.5,193.9) 108.09,193.31 R2.1 ; 2.12,58.15 10.12,58.15 C61.1 ; C14.1 69.75,155.89 86.75,155.89 C15.1 ; C14.1 70.29,156.42 D114.4 ; C14.1 67.7,155.89 50.7,155.89 C13.1 ; C79.1 162.95,41.59 145.95,41.59 C78.1 ; C79.1 165,41.59 182,41.59 C80.1 184.59,42.12 D180.4 ; C79.1 165.54,42.12 D179.4 ; C35.1 88.8,117.79 105.8,117.79 C36.1 ; C35.1 89.34,118.32 D135.4 ; C35.1 86.75,117.79 69.75,117.79 C34.1 ; C38.1 146.49,118.32 D138.4 ; C38.1 145.95,117.79 162.95,117.79 C39.1 ; D189.4 165.54,23.07 C89.1 ; D176.4 108.39,42.12 C76.1 ; 173.91,206.61 174.07,206.44 172,204.37 JP2.2 ; 173.91,206.61 170.52,210 v1(107.5,210) 64.18,210 61.39,207.21 44.12,207.21 44.02,207.31 ; 173.91,206.61 D205.2 ; C59.1 165.54,80.22 D159.4 ; C59.1 165,79.69 182,79.69 C60.1 184.59,80.22 D160.4 ; C52.1 32.19,80.22 D152.4 ; C52.1 31.65,79.69 48.65,79.69 C53.1 ; D187.4 127.44,23.07 C87.1 ; C99.1 165.54,4.02 D199.4 ; C99.1 165,3.49 182,3.49 C100.1 184.59,4.02 D200.4 ; C99.1 162.95,3.49 145.95,3.49 C98.1 ; D144.4 70.29,99.27 C44.1 ; C43.1 51.24,99.27 D143.4 ; C43.1 48.65,98.74 31.65,98.74 C42.1 ; C43.1 50.7,98.74 67.7,98.74 C44.1 ; C98.1 146.49,4.02 D198.4 ; C98.1 143.9,3.49 126.9,3.49 C97.1 ; D122.4 32.19,137.37 C22.1 ; C17.1 127.44,156.42 D117.4 ; C17.1 126.9,155.89 143.9,155.89 C18.1 ; C17.1 124.85,155.89 107.85,155.89 C16.1 ; C1.1 12.6,174.94 29.6,174.94 C2.1 ; C1.1 9.82,172.15 2.12,172.15 ; C1.1 13.14,175.47 D101.4 ; C91.1 12.6,3.49 29.6,3.49 C92.1 ; C91.1 10.55,1.44 3.08,1.44 2.12,2.4 ; C87.1 126.9,22.54 143.9,22.54 C88.1 ; C67.1 127.44,61.17 D167.4 ; C67.1 124.85,60.64 107.85,60.64 C66.1 ; C67.1 126.9,60.64 143.9,60.64 C68.1 ; D116.4 108.39,156.42 C16.1 ; D181.4 13.14,23.07 C81.1 ; C56.1 108.39,80.22 D156.4 ; C56.1 105.8,79.69 88.8,79.69 C55.1 ; C56.1 107.85,79.69 124.85,79.69 C57.1 ; C54.1 69.75,79.69 86.75,79.69 C55.1 ; C54.1 67.7,79.69 50.7,79.69 C53.1 ; C54.1 70.29,80.22 D154.4 ; C94.1 69.75,3.49 86.75,3.49 C95.1 ; C94.1 67.7,3.49 50.7,3.49 C93.1 ; C94.1 70.29,4.02 D194.4 ; D155.4 89.34,80.22 C55.1 ; C81.1 12.6,22.54 29.6,22.54 C82.1 ; C81.1 10.22,20.15 2.12,20.15 ; C23.1 48.65,136.84 31.65,136.84 C22.1 ; C23.1 51.24,137.37 D123.4 ; C23.1 50.7,136.84 67.7,136.84 C24.1 ; C57.1 127.44,80.22 D157.4 ; C84.1 70.29,23.07 D184.4 ; C84.1 69.75,22.54 86.75,22.54 C85.1 ; D106.4 108.39,175.47 C6.1 ; C24.1 69.75,136.84 86.75,136.84 C25.1 ; C24.1 70.29,137.37 D124.4 ; C49.1 165,98.74 182,98.74 C50.1 184.59,99.27 D150.4 ; C49.1 165.54,99.27 D149.4 ; C49.1 162.95,98.74 145.95,98.74 C48.1 ; C5.1 89.34,175.47 D105.4 ; C5.1 88.8,174.94 105.8,174.94 C6.1 ; C5.1 86.75,174.94 69.75,174.94 C4.1 ; C76.1 105.8,41.59 88.8,41.59 C75.1 ; C76.1 107.85,41.59 124.85,41.59 C77.1 ; C22.1 29.6,136.84 12.6,136.84 C21.1 ; C47.1 126.9,98.74 143.9,98.74 C48.1 ; C47.1 124.85,98.74 107.85,98.74 C46.1 ; C47.1 127.44,99.27 D147.4 ; C41.1 10.02,96.15 2.12,96.15 ; C41.1 12.6,98.74 29.6,98.74 C42.1 ; C41.1 13.14,99.27 D141.4 ; C34.1 67.7,117.79 50.7,117.79 C33.1 ; C34.1 70.29,118.32 D134.4 ; C95.1 89.34,4.02 D195.4 ; C95.1 88.8,3.49 105.8,3.49 C96.1 ; C72.1 29.6,41.59 12.6,41.59 C71.1 ; C72.1 31.65,41.59 48.65,41.59 C73.1 ; C72.1 32.19,42.12 D172.4 ; C9.1 162.95,174.94 145.95,174.94 C8.1 ; C9.1 165,174.94 182,174.94 C10.1 184.59,175.47 D110.4 ; C9.1 165.54,175.47 D109.4 ; C7.1 124.85,174.94 107.85,174.94 C6.1 ; C7.1 126.9,174.94 143.9,174.94 C8.1 ; C7.1 127.44,175.47 D107.4 ; C71.1 13.14,42.12 D171.4 ; C71.1 9.92,38.9 2.12,38.9 ; C74.1 67.7,41.59 50.7,41.59 C73.1 ; C74.1 69.75,41.59 86.75,41.59 C75.1 ; C74.1 70.29,42.12 D174.4 ; C62.1 31.65,60.64 48.65,60.64 C63.1 ; C62.1 32.19,61.17 D162.4 ; C62.1 29.6,60.64 12.6,60.64 C61.1 ; C82.1 32.19,23.07 D182.4 ; D102.4 32.19,175.47 C2.1 ; C97.1 124.85,3.49 107.85,3.49 C96.1 ; C97.1 127.44,4.02 D197.4 ; D103.4 51.24,175.47 C3.1 ; D188.4 146.49,23.07 C88.1 ; C88.1 145.95,22.54 162.95,22.54 C89.1 ; C4.1 70.29,175.47 D104.4 ; C4.1 67.7,174.94 50.7,174.94 C3.1 ; C44.1 69.75,98.74 86.75,98.74 C45.1 ; C93.1 48.65,3.49 31.65,3.49 C92.1 ; C93.1 51.24,4.02 D193.4 ; C42.1 32.19,99.27 D142.4 ; C64.1 70.29,61.17 D164.4 ; C64.1 67.7,60.64 50.7,60.64 C63.1 ; C64.1 69.75,60.64 86.75,60.64 C65.1 ; C46.1 105.8,98.74 88.8,98.74 C45.1 ; C46.1 108.39,99.27 D146.4 ; C73.1 51.24,42.12 D173.4 ; D112.4 32.19,156.42 C12.1 ; C69.1 165,60.64 182,60.64 C70.1 184.59,61.17 D170.4 ; C69.1 165.54,61.17 D169.4 ; C69.1 162.95,60.64 145.95,60.64 C68.1 ; D129.4 165.54,137.37 C29.1 ; C28.1 145.95,136.84 162.95,136.84 C29.1 ; C28.1 143.9,136.84 126.9,136.84 C27.1 ; C28.1 146.49,137.37 D128.4 ; C36.1 108.39,118.32 D136.4 ; D115.4 89.34,156.42 C15.1 ; C68.1 146.49,61.17 D168.4 ; C77.1 126.9,41.59 143.9,41.59 C78.1 ; C77.1 127.44,42.12 D177.4 ; C15.1 88.8,155.89 105.8,155.89 C16.1 ; C89.1 165,22.54 182,22.54 C90.1 184.59,23.07 D190.4 ; C75.1 89.34,42.12 D175.4 ; C21.1 13.14,137.37 D121.4 ; C21.1 9.92,134.15 2.12,134.15 ; C92.1 32.19,4.02 D192.4 ; D140.4 184.59,118.32 C40.1 182,117.79 165,117.79 C39.1 ; C3.1 48.65,174.94 31.65,174.94 C2.1 ; C63.1 51.24,61.17 D163.4 ; D133.4 51.24,118.32 C33.1 ; C96.1 108.39,4.02 D196.4 ; C12.1 29.6,155.89 12.6,155.89 C11.1 ; C12.1 31.65,155.89 48.65,155.89 C13.1 ; C53.1 51.24,80.22 D153.4 ; C85.1 89.34,23.07 D185.4 ; C26.1 105.8,136.84 88.8,136.84 C25.1 ; C26.1 108.39,137.37 D126.4 ; C26.1 107.85,136.84 124.85,136.84 C27.1 ; C61.1 13.14,61.17 D161.4 ; D113.4 51.24,156.42 C13.1 ; C25.1 89.34,137.37 D125.4 ; C66.1 105.8,60.64 88.8,60.64 C65.1 ; C66.1 108.39,61.17 D166.4 ; C18.1 146.49,156.42 D118.4 ; C18.1 145.95,155.89 162.95,155.89 C19.1 ; C27.1 127.44,137.37 D127.4 ; D178.4 146.49,42.12 C78.1 ; D119.4 165.54,156.42 C19.1 ; C39.1 165.54,118.32 D139.4 ; C11.1 13.14,156.42 D111.4 ; D108.4 146.49,175.47 C8.1 ; C65.1 89.34,61.17 D165.4 ; C45.1 89.34,99.27 D145.4 ; C33.1 48.65,117.79 31.65,117.79 C32.1 ; C29.1 165,136.84 182,136.84 C30.1 184.59,137.37 D130.4 ; C32.1 32.19,118.32 D132.4
  Bottom w1.75: v3(43,193) 41.87,191.87 34.13,191.87 32,194
  Bottom w2: Q2.3 41,215 46.14,215 49,212.14 v3(49,210) 46.31,207.31 Q3.3
(no net): length 0.1
  Bottom w0.2: 6.24,206.6 6.24,206.52
BARREL_A: length 88.3
  Top w1.75: Q1.1 36.35,195.85 36.32,195.89 36.32,205.23 ; 36.32,205.23 Q2.1 ; 36.32,205.23 14.04,205.23 J1.2
  Bottom w1.75: Q2.1 35.82,204.73 ; 35.82,204.73 35.82,197.34 37.31,195.85 Q1.1 ; 35.82,204.73 14.54,204.73 J1.2
BARREL_B: length 110.3
  Top w1.75: J1.1 12.01,201.27 30.73,201.27 34,198 34,195 35.18,193.82 40.47,193.82 40.47,199.23 42.17,200.93 Q4.1 42,203.32 42,210.37 44.02,212.39 Q3.1
  Bottom w1.75: J1.1 12.01,201.27 30.6,201.27 33.87,198 33.87,195.13 35.18,193.82 40.47,193.82 41.65,195 41.65,200.93 Q4.1
COL_1: length 325.4
  Top w0.2: U1.20 141.59,198.37 140.57,197.35 131.07,197.35 127.62,193.9 108.85,193.9 108.23,193.28 90.03,193.28 89.57,192.82 52.57,192.82 51.37,191.61 32.86,191.61 32.65,191.4 14.22,191.4 SW1.1 SW11.1 SW31.1 SW51.1 SW61.1 SW71.1 SW81.1 SW91.1
COL_2: length 307.8
  Top w0.2: U1.19 144.13,200.11 140.97,196.95 131.23,196.95 127.65,193.37 108.88,193.37 108.17,192.65 89.97,192.65 89.54,192.23 52.58,192.23 51.56,191.21 33.08,191.21 SW2.1 SW12.1 SW32.1 SW52.1 SW62.1 SW72.1 SW82.1 SW92.1
COL_3: length 291.2
  Top w0.2: SW93.1 SW83.1 SW73.1 SW63.1 SW53.1 SW33.1 SW13.1 SW3.1 52.23,191.31 70.71,191.31 71.23,191.82 89.71,191.82 90.03,192.15 108.23,192.15 108.92,192.83 127.68,192.83 131.4,196.55 141.13,196.55 149.21,204.62 U1.17
COL_4: length 273.5
  Top w0.2: U1.16 151.75,206.6 141.3,196.15 131.57,196.15 127.72,192.3 108.95,192.3 108.33,191.68 90.13,191.68 89.73,191.28 71.25,191.28 SW4.1 SW14.1 SW34.1 SW54.1 SW64.1 SW74.1 SW84.1 SW94.1
COL_5: length 255.9
  Top w0.2: U1.15 154.29,208.57 141.37,195.65 131.63,195.65 127.75,191.77 108.99,191.77 108.37,191.15 90.17,191.15 SW5.1 SW15.1 SW35.1 SW55.1 SW65.1 SW75.1 SW85.1 SW95.1
COL_6: length 239.6
  Top w0.2: 101.98,12.46 101.98,183.91 109.3,191.23 127.78,191.23 131.7,195.15 143.87,195.15 156.83,208.11 U1.14
COL_7: length 196
  Top w0.2: U1.21 130.77,193.65 SW7.1 SW17.1 SW37.1 SW57.1 SW67.1 SW77.1 SW87.1 SW97.1
COL_8: length 182.9
  Top w0.2: SW98.1 SW88.1 SW78.1 SW68.1 SW58.1 SW38.1 SW18.1 SW8.1 144.13,187.96 U1.22
COL_9: length 183.2
  Top w0.2: U1.26 154.29,188.75 SW9.1 SW19.1 SW39.1 SW59.1 SW69.1 SW79.1 SW89.1 SW99.1
COL_10: length 197.8
  Top w0.2: U1.27 156.83,192.09 165,183.91 SW10.1 SW20.1 SW40.1 SW60.1 SW70.1 SW80.1 SW90.1 SW100.1
Earth: length 77.9
  Top w1.76: v3(38.51,204.66) 38.4,204.54 Q1.3
  Bottom w0.2: v1(9.94,185.06) 9.94,186.06 v1(5,191) ; v2(22,190) v2(22,193) ; v2(30,193) v1(30,190)
  Bottom w1.75: 54,203.08 40.54,203.08 Q1.3 40.42,202.96 46.47,202.96 46.47,197.55 44.77,195.85 Q4.3 51.97,195.85 52.06,195.94
  Bottom w1.76: 57,205 56.77,205.23 46,205.23 39.08,205.23 v3(38.51,204.66)
  vias: v1(5.5,8) v1(8,179) v1(8.04,173.86) v1(8,160.5) v1(8,141.5) v1(8.01,136.3) v1(8,123) v1(7.99,117.75) v1(8,103.5) v1(8,84.5) v1(8,65.5) v1(8.05,59.48) v1(8,46.5) v1(8,27) v1(8,8) v1(8.13,155.25) v1(8.08,40.27) v1(8.14,21.54) v1(8.13,2.73) v1(8.15,98.55) v1(8.24,78.45) v1(11.18,1.07) v1(14,183.5) v1(15,12) v1(33,164) v1(34,31) v1(52,145) v1(54,50) v1(56.09,209) v1(62,194) v1(62,190) v1(71,125.5) v1(72.5,69) v1(79,194) v1(79,190) v1(91.5,88) v1(98,195) v1(98,190) v1(116,195) v1(116,190) v1(134,190.5) v1(143.5,184) v1(146.32,204.53) v1(147,183.5) v1(147.5,145) v1(147.5,50) v1(149,189) v1(151.44,199.68) v1(152,189) v1(152,183.5) v1(155.5,189.5) v1(157.5,179.5) v1(158,209) v1(158,187.5) v1(159.21,198.56) v1(160.5,179.5) v1(164.76,204.41) v1(166.5,164) v1(167,30.5) v1(168,198) v1(169,203.81) v1(172.5,102.5) v1(172.5,97.5) v1(172.5,94) v1(172.5,89) v1(172.5,83.5) v1(172.5,78) v1(172.5,75) v1(172.5,70.5) v1(172.5,64.5) v1(172.5,59) v1(172.5,56) v1(172.5,51) v1(172.5,45.5) v1(172.5,40) v1(172.5,37) v1(172.5,32) v1(172.5,26.5) v1(172.5,21) v1(172.5,18) v1(172.5,13.5) v1(172.5,7.5) v1(172.5,2) v1(173,171.5) v1(173,162) v1(173,153) v1(173,144) v1(173,134) v1(173,121.5) v1(173,114) v1(173,109) v1(173.5,187.5) v1(173.5,182.5) v1(174.15,208.29) v1(175.5,162) v1(175.5,144) v1(176,171.5) v1(176,153) v1(176,134) v1(176,121.5) v1(176,114) v1(179.41,95.35) v1(179.5,171.5) v1(179.56,152.9) v1(179.63,76.84) v1(179.82,114.56) v1(179.84,38.94) v1(179.87,133.76) v1(180.15,19.44) v1(180.32,57.17) v1(180.67,127.23) v1(180.93,146.38) v1(180.89,89.51) v1(180.94,70.38) v1(181.07,51.37) v1(181.18,31.94) v1(181.18,13.16) v1(181.3,108.79) v1(181.47,166.11) v1(181.77,169.24) v1(182.27,131.47) v1(182.31,112.18) v1(182.72,74.67) v1(182.96,151.02) v1(183.1,36.37) v1(183.41,56.34) v1(183.58,17.97) v1(183.84,93.83) v1(186,11.5) v2(29,190) v2(29,189) v2(34,190) v2(34,189)
